# KiCad board eurovISOn REV.kicad_pcb (continued)
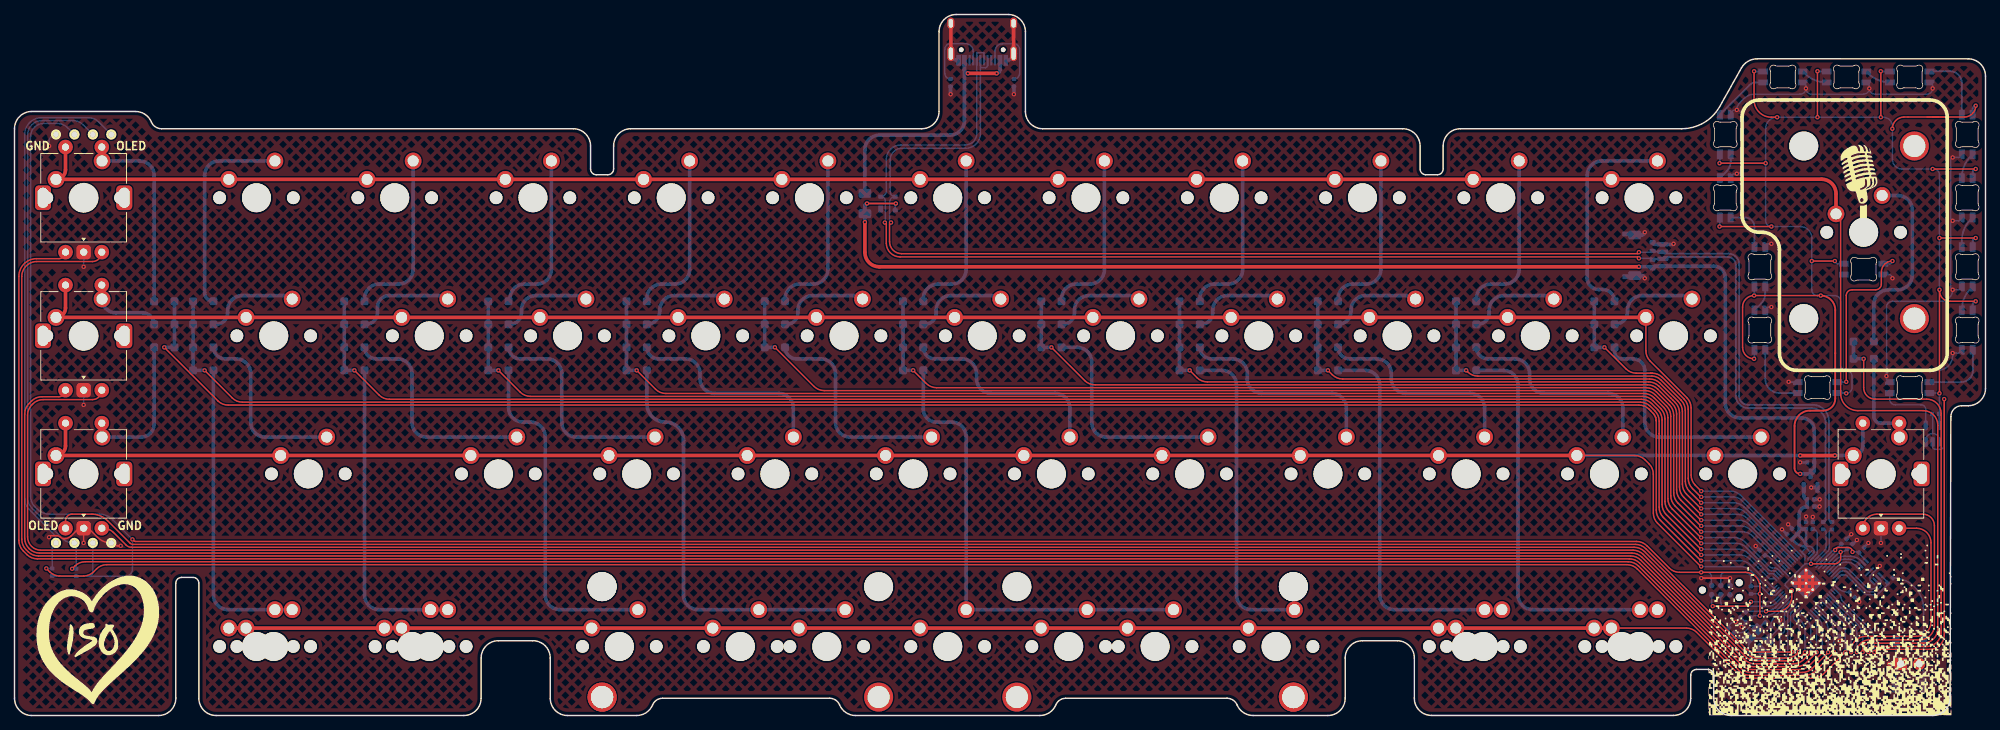
[diagram p0: board, top side]
## Routing (per net, layer and track width the routed paths; a pad name or vN(x,y) marks a point on that pad's centre or on a via; arc(x,y) is an arc through that point) (continued)
Net-(D6-K): length 23.6
  Bottom w0.5: D6.1 106.17,57.53 arc(106.76,58.95) 108.17,59.53 110.08,59.53 arc(111.49,60.12) 112.08,61.53 MX6.2
Net-(D7-K): length 23.6
  Bottom w0.5: MX7.2 131.13,61.53 arc(130.54,60.12) 129.13,59.53 127.23,59.53 arc(125.81,58.95) 125.23,57.53 D7.1
Net-(D8-K): length 23.6
  Bottom w0.5: MX8.2 150.18,61.53 arc(149.59,60.12) 148.18,59.53 146.28,59.53 arc(144.86,58.95) 144.28,57.53 D8.1
Net-(D9-K): length 23.6
  Bottom w0.5: MX9.2 169.23,61.53 arc(168.64,60.12) 167.23,59.53 165.33,59.53 arc(163.91,58.95) 163.33,57.53 D9.1
Net-(D10-K): length 23.6
  Bottom w0.5: D10.1 182.38,57.53 arc(182.96,58.95) 184.38,59.53 186.28,59.53 arc(187.69,60.12) 188.28,61.53 MX10.2
Net-(D11-K): length 23.6
  Bottom w0.5: MX11.2 207.33,61.53 arc(206.74,60.12) 205.33,59.53 203.43,59.53 arc(202.01,58.95) 201.43,57.53 D11.1
Net-(D12-K): length 30.6
  Bottom w0.5: MX12.2 218.69,76.52 arc(217.28,75.93) 216.69,74.52 216.69,60.37 arc(217.16,59.25) 218.28,58.78 218.84,58.78 arc(220,58.3) D12.1
Net-(D13-K): length 27
  Bottom w0.5: MX13.2 259.5,71.75 arc(260.91,71.17) 261.5,69.75 261.5,60.74 arc(260.91,59.32) 259.5,58.74 258.19,58.74 arc(256.78,58.15) 256.19,56.74 D13.1
Net-(D15-K): length 12.8
  Bottom w0.5: 37.78,57.94 31.37,57.94 arc(29.95,57.36) 29.37,55.94 29.37,55.56 arc(28.9,54.44) 27.78,53.98 D15.1
Net-(D16-K): length 13.6
  Bottom w0.5: 59.21,57.94 51.59,57.94 arc(50.47,57.48) 50.01,56.36 50.01,55.56 arc(49.54,54.44) 48.42,53.98 D16.1
Net-(D17-K): length 12.6
  Bottom w0.5: D17.1 68.26,53.98 arc(69.39,54.44) 69.85,55.56 69.85,55.94 arc(70.44,57.36) 71.85,57.94 78.26,57.94
Net-(D18-K): length 12.5
  Bottom w0.5: 97.31,57.94 90.9,57.94 arc(89.49,57.36) 88.9,55.94 88.9,55.75 arc(88.38,54.49) D18.1
Net-(D19-K): length 12.4
  Bottom w0.5: 116.36,57.94 109.95,57.94 arc(108.54,57.36) 107.95,55.94 107.95,55.56 arc(107.49,54.44) 106.36,53.98
Net-(D20-K): length 12.4
  Bottom w0.5: 135.41,57.94 129,57.94 arc(127.59,57.36) 127,55.94 127,55.56 arc(126.54,54.44) 125.41,53.98
Net-(D21-K): length 12.4
  Bottom w0.5: 154.46,57.94 148.05,57.94 arc(146.64,57.36) 146.05,55.94 146.05,55.56 arc(145.59,54.44) 144.46,53.98
Net-(D22-K): length 12.4
  Bottom w0.5: 173.51,57.94 167.1,57.94 arc(165.69,57.36) 165.1,55.94 165.1,55.56 arc(164.64,54.44) 163.51,53.98
Net-(D23-K): length 12.5
  Bottom w0.5: 192.56,57.94 186.15,57.94 arc(184.74,57.36) 184.15,55.94 184.15,55.75 arc(183.63,54.49) D23.1
Net-(D24-K): length 12.6
  Bottom w0.5: 211.61,57.94 205.2,57.94 arc(203.79,57.36) 203.2,55.94 203.2,55.56 arc(202.74,54.44) 201.61,53.98 D24.1
Net-(D25-K): length 12.5
  Bottom w0.5: 230.66,57.94 224.25,57.94 arc(222.84,57.36) 222.25,55.94 222.25,55.75 arc(221.73,54.49) D25.1
Net-(D27-K): length 25.6
  Bottom w0.5: MX27.2 34.54,38.42 arc(33.13,39) 32.54,40.42 32.54,47.21 arc(31.96,48.63) 30.54,49.21 28.99,49.21 arc(27.87,49.68) D27.1
Net-(D28-K): length 31
  Bottom w0.5: MX28.2 56.77,38.42 arc(55.35,39) 54.77,40.42 54.77,47.21 arc(54.18,48.63) 52.77,49.21 49.82,49.21 arc(48.7,49.68) D28.1
Net-(D29-K): length 30.2
  Bottom w0.5: MX29.2 77.41,38.42 arc(75.99,39) 75.41,40.42 75.41,47.21 arc(74.82,48.63) 73.41,49.21 69.66,49.21 arc(68.54,49.68) D29.1
Net-(D30-K): length 29.3
  Bottom w0.5: MX30.2 107.31,42.45 arc(106.73,43.86) 105.31,44.45 96.46,44.45 arc(95.04,45.04) 94.46,46.45 94.46,47.21 arc(93.87,48.63) 92.46,49.21 88.71,49.21 arc(87.59,49.68) D30.1
Net-(D31-K): length 30.2
  Bottom w0.5: MX31.2 115.12,38.42 arc(113.71,39) 113.12,40.42 113.12,47.21 arc(112.54,48.63) 111.12,49.21 107.76,49.21 arc(106.64,49.68) D31.1
Net-(D32-K): length 29.3
  Bottom w0.5: 145.42,38.42 145.42,42.45 arc(144.83,43.86) 143.42,44.45 134.56,44.45 arc(133.14,45.04) 132.56,46.45 132.56,47.21 arc(131.97,48.63) 130.56,49.21 126.81,49.21 arc(125.69,49.68) D32.1
Net-(D33-K): length 30.9
  Bottom w0.5: D33.1 146.43,50.8 arc(147.85,50.21) 148.43,48.8 148.43,40.42 arc(149.02,39) 150.43,38.42 MX33.2
Net-(D34-K): length 29.3
  Bottom w0.5: MX34.2 183.52,42.45 arc(182.93,43.86) 181.52,44.45 171.86,44.45 arc(170.45,45.04) 169.86,46.45 169.86,47.21 arc(169.28,48.63) 167.86,49.21 164.91,49.21 arc(163.79,49.68) D34.1
Net-(D35-K): length 29.3
  Bottom w0.5: MX35.2 202.56,42.45 arc(201.98,43.86) 200.56,44.45 191.71,44.45 arc(190.29,45.04) 189.71,46.45 189.71,47.21 arc(189.12,48.63) 187.71,49.21 183.96,49.21 arc(182.84,49.68) D35.1
Net-(D36-K): length 29.3
  Bottom w0.5: MX36.2 221.62,42.45 arc(221.03,43.86) 219.62,44.45 210.76,44.45 arc(209.34,45.04) 208.76,46.45 208.76,47.21 arc(208.17,48.63) 206.76,49.21 203.01,49.21 arc(201.89,49.68) D36.1
Net-(D37-K): length 30.6
  Bottom w0.5: MX37.2 226.63,38.42 arc(225.22,39) 224.63,40.42 224.63,47.62 arc(224.17,48.75) 223.04,49.21 221.46,49.21 arc(220.76,49.5) 220.48,50.19 D37.1
Net-(D39-K): length 43
  Bottom w0.5: D39.1 27.41,16.61 arc(27.99,15.19) 29.41,14.61 MX47.2 MX39.2
Net-(D40-K): length 43.6
  Bottom w0.5: MX40.2 MX48.2 50.23,14.61 arc(48.82,15.19) 48.23,16.61 D40.1
Net-(D41-K): length 48.3
  Bottom w0.5: MX41.2 75.13,14.61 arc(73.72,15.19) 73.13,16.61 73.13,38.48 arc(72.54,39.9) 71.13,40.48 70.08,40.48 arc(68.66,41.07) 68.08,42.48 D41.1
Net-(D42-K): length 58.1
  Bottom w0.5: 92.18,37.31 92.18,38.1 ; 92.18,37.31 92.18,16.61 arc(92.77,15.19) 94.18,14.61 MX49.2 MX42.2 ; 92.18,37.31 92.18,38 arc(91.45,39.75) 89.69,40.48 arc(87.88,41.23) 87.12,43.05 D42.1
Net-(D43-K): length 65.9
  Bottom w0.5: D43.1 125.23,42.26 arc(125.74,41) 127,40.48 129.13,40.48 arc(130.54,39.9) 131.13,38.48 MX50.2 MX53.2
Net-(D44-K): length 44.3
  Bottom w0.5: MX44.2 170.38,14.61 arc(168.97,15.19) 168.38,16.61 168.38,45.62 arc(167.79,47.04) 166.38,47.62 D44.1
Net-(D45-K): length 53.9
  Bottom w0.5: D45.1 186.12,47.62 arc(187.53,47.04) 188.12,45.62 188.12,16.61 arc(188.7,15.19) 190.12,14.61 MX51.2 MX45.2
Net-(D46-K): length 56.3
  Bottom w0.5: D46.1 205.17,47.62 arc(206.58,47.04) 207.17,45.62 207.17,16.61 arc(207.75,15.19) 209.17,14.61 MX52.2 MX46.2
Net-(LED1-DOUT): length 9.8
  Bottom w0.25: LED1.2 268.23,46 arc(269.38,46.48) 269.86,47.63 269.86,50.42 arc(269.84,50.45) LED2.3
Net-(LED2-DOUT): length 3.7
  Bottom w0.25: LED3.3 269.57,58.95 arc(268.64,57.55) LED2.2
Net-(LED4-DOUT): length 3.7
  Bottom w0.25: LED5.3 255.4,88.61 arc(256.79,87.68) LED4.2
Net-(LED6-DOUT): length 3.8
  Bottom w0.25: LED7.3 235.89,75.08 arc(236.33,75.73) 236.48,76.49 LED6.2
Net-(LED7-DOUT): length 6.8
  Bottom w0.25: LED8.3 239.74,67.43 arc(239.36,68.34) 238.46,68.71 LED7.2
Net-(LED10-DIN): length 24.4
  Top w0.2: v1(252.4,46.04) 252.4,57.95 arc(252.63,58.51) 253.19,58.74 256.44,58.74 arc(257,58.97) 257.23,59.53 257.23,61.18 arc(257.68,62.26) v1(258.76,62.71)
  Bottom w0.2: LED10.3 258.39,62.34 arc(258.65,62.45) v1(258.76,62.71)
  Bottom w0.25: LED9.2 252.35,46 arc(252.38,46.01) v1(252.4,46.04)
Net-(LED11-DIN): length 4.5
  Bottom w0.25: LED3.2 268.31,65.47 arc(268.63,67.08) 269.54,68.44 LED11.3
Net-(LED11-DOUT): length 3.7
  Bottom w0.25: LED12.3 269.57,77.2 arc(268.64,75.81) LED11.2
Net-(LED12-DOUT): length 9.8
  Bottom w0.25: LED12.2 268.31,87.27 arc(267.84,88.42) 266.68,88.9 263.91,88.9 arc(263.88,88.89) LED4.3
Net-(LED13-DIN): length 3.8
  Bottom w0.25: LED13.3 240.65,56.82 arc(241.09,57.47) 241.24,58.24 LED8.2
Net-(LED13-DOUT): length 10.3
  Bottom w0.25: 241.24,48.42 241.24,46.45 arc(241.81,45.07) 243.19,44.5 LED9.3 245.12,44.5 ; 241.24,48.42 241.24,48.37 ; 241.24,48.42 LED13.2
Net-(LED14-DIN): length 3.7
  Bottom w0.25: LED14.3 246.61,88.64 arc(248.03,87.69) LED5.2
Net-(LED14-DOUT): length 7.8
  Bottom w0.25: LED6.3 239.08,86.99 arc(239.48,87.26) 239.95,87.36 LED14.2

## Copper pours and planes (outline as drawn; the poured copper is in the pictures)
+3V3 on Bottom: 247.45,21.66 248.24,22.43 248.19,25.06 247.35,24.98 247.32,26.19 245.59,26.15 244.09,24.33 246.51,22.09 244.25,19.63 242.92,18.27 244.04,17.12 246.87,14.31 248.92,16.25 250.89,18.26 248.27,20.83 247.87,20.5 249.52,18.76 250.01,18.19 247.63,15.89 246.66,14.99 244.95,16.82 244.91,16.77 244.36,17.35 244.77,17.75 244.4,18.16 244.46,18.43 244.92,18.87 246.72,20.65 246.75,20.89
GND on Top, Bottom: 277.81,97.63 277.81,-2.38 -3.17,-2.38 -2.33,97.63

## Text on the board
B.Silkscreen: JLCJLCJLCJLC | Calvin0563 | concept by / the yurp community / of the 40s discord | pcb design by | ROT | 1 | 125 | 175 | 3 | 6 | DEBUG | BOOT | DB
F.Silkscreen: GND | OLED
